# KiCad board sizif512.kicad_pcb (continued)
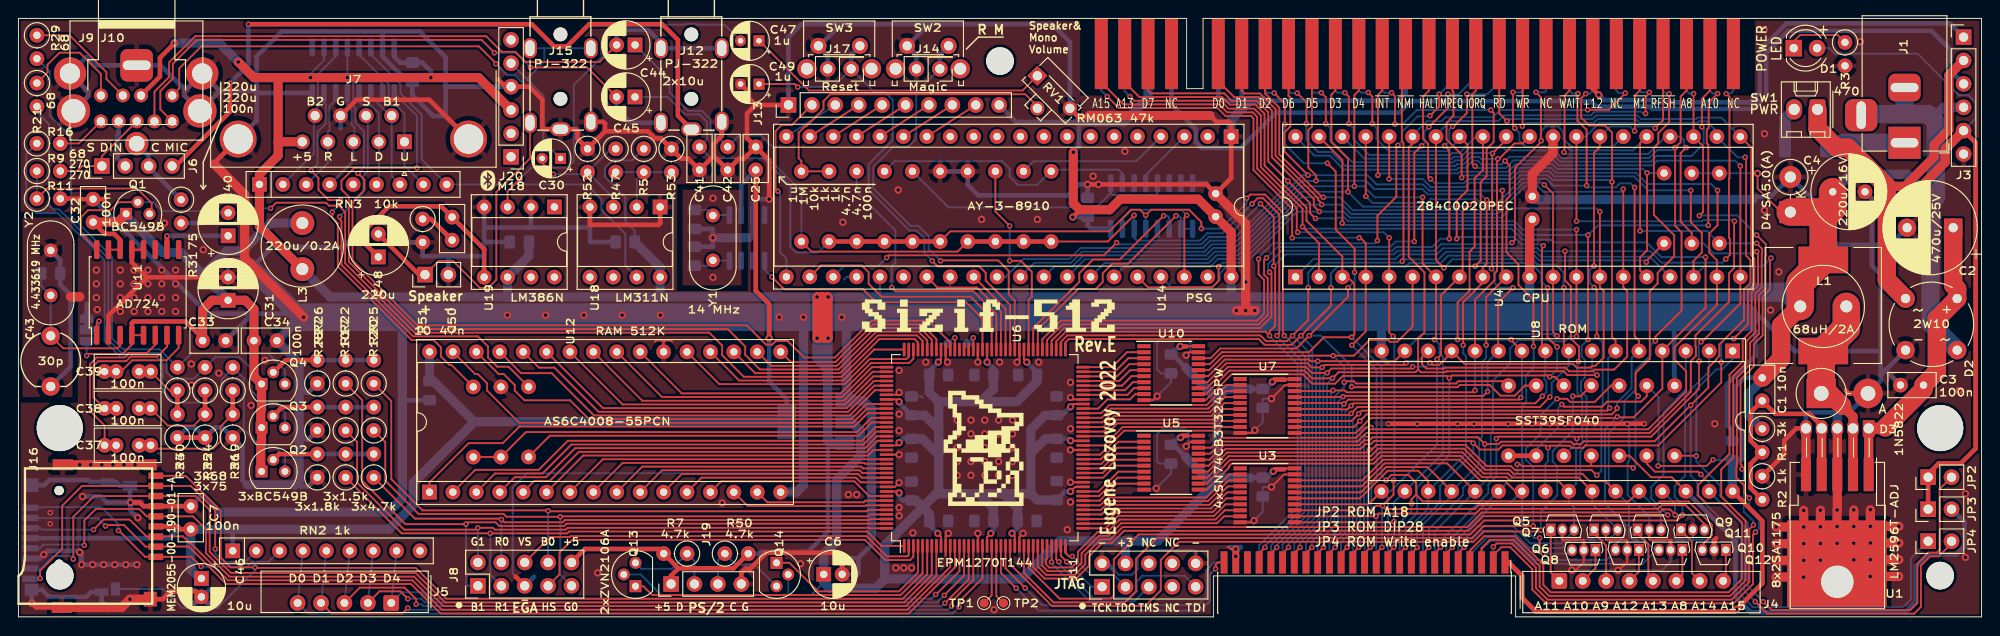
[diagram p0: board, top side]
## Routing (per net, layer and track width the routed paths; a pad name or vN(x,y) marks a point on that pad's centre or on a via; arc(x,y) is an arc through that point) (continued)
/A0: length 103.5
  Top w0.2: v2(158.05,24.59) 157.85,24.39 144.1,24.39 143.9,24.59 v2(142.63,24.59) ; 142.5,24.47 v2(142.63,24.59) ; v2(142.63,24.59) 142.56,24.53 U7.18 ; v2(138.75,56.88) 139.75,55.88 v2(139.75,53.57) ; J18.35 139.7,6.91 v2(140.34,7.54) ; U4.30 163.22,51.42 162.32,51.42 160.65,49.74 v2(160.51,49.74) 160.41,49.65 160.41,46.06 160.42,46.05 160.42,37.57 160.15,37.3 160.15,36.56 158.05,34.46 U8.12
  Bottom w0.2: U8.12 158.05,24.6 v2(158.05,24.59) ; v2(142.63,24.59) 142.39,24.35 142.39,10.24 140.34,8.19 v2(140.34,7.54) ; v2(160.51,49.74) 158.73,49.74 158.53,49.94 157.62,49.94 156.85,49.17 156.07,49.17 155.87,48.97 143.97,48.97 142.45,50.5 141,50.5 139.75,51.75 139.75,52.62 139.75,52.63 v2(139.75,53.57) ; 137.81,61.17 137.81,57.16 138.08,56.88 v2(138.75,56.88)
/A1: length 101.4
  Top w0.2: U8.11 160.55,28.92 160.55,34.14 v2(162.15,35.74) ; U7.17 143.68,23.88 v2(143.73,23.92) 143.8,24 158.93,24 v2(159.4,24.47) ; v2(141.85,53.57) 141.85,56.44 v2(141.36,56.93) ; J18.33 140.97,6.94 141.59,7.55 141.59,7.55 v2(141.6,7.55) ; v2(159.83,37.82) 159.9,37.9 159.9,50.31 v2(159.94,50.34) 161.42,51.83 U4.31
  Bottom w0.2: v2(141.36,56.93) 140.57,56.93 140.35,57.16 140.35,61.17 ; v2(143.73,23.92) 143.19,23.38 143.19,9.51 141.6,7.92 v2(141.6,7.55) ; v2(141.85,53.57) 142.35,53.07 142.35,51.77 144.75,49.37 155.71,49.37 155.91,49.57 156.68,49.57 157.49,50.38 159.9,50.38 v2(159.94,50.34) ; v2(162.15,35.74) 160.68,35.74 160.15,36.27 160.15,37.5 v2(159.83,37.82) ; U8.11 159.4,27.69 v2(159.4,24.47)
/A2: length 104.9
  Top w0.2: v2(144.35,53.57) 144.35,56.5 v2(143.91,56.94) ; v2(163,23.82) 162.78,23.6 144.28,23.6 v2(143.82,23.13) ; v2(156.15,30.12) 156.15,34.14 157.45,35.44 157.45,39.67 158,40.22 158,47.64 158.9,48.54 158.9,52.15 U4.32 ; v2(143.82,23.13) 143.72,23.23 U7.16 ; v2(143.82,23.13) 143.7,23.25 ; v2(161.95,30.12) 161.95,30.06 U8.10
  Bottom w0.2: v2(144.35,53.57) 144.85,53.07 144.85,51.87 146.55,50.17 155.38,50.17 155.58,50.37 156.35,50.37 158.14,52.16 U4.32 ; J18.32 142.24,7.99 143.59,9.34 143.59,22.9 v2(143.82,23.13) ; 142.89,61.17 142.89,57.16 143.1,56.94 v2(143.91,56.94) ; v2(163,23.82) 163.13,23.95 U8.10 ; v2(156.15,30.12) v2(161.95,30.12)
/A3: length 105.1
  Top w0.2: v2(142.87,7.55) 142.24,6.92 J18.31 ; v2(146.46,56.95) 146.9,56.51 v2(146.9,53.57) ; v2(165.45,40.32) 165.3,40.16 165.3,29.25 U8.9 ; U4.33 157.22,51.28 157.22,46.35 156.05,45.17 v2(156.05,41.07) ; v2(165.35,23.97) 164.58,23.2 144.85,23.2 v2(144.59,22.94) 144.18,22.53 143.45,22.53 143.41,22.58 U7.15
  Bottom w0.2: v2(165.35,23.97) 165.77,24.39 165.77,25.6 165.55,25.82 165.55,26.32 165.67,26.43 U8.9 ; v2(142.87,7.55) 142.89,7.57 142.89,8.07 143.99,9.17 143.99,22.33 v2(144.59,22.94) ; v2(156.05,41.07) 156.22,41.25 162.3,41.25 163.1,40.45 165.33,40.45 v2(165.45,40.32) ; U4.33 156.34,51.89 155.03,50.57 148.69,50.57 147.35,51.91 147.35,53.12 v2(146.9,53.57) ; 145.43,61.17 145.43,57.16 145.63,56.95 v2(146.46,56.95)
/A4: length 120
  Top w0.2: v2(176.96,56.96) 176.96,56.88 176.55,56.47 v2(176.55,54.67) ; v2(167.68,35.77) 167.68,29.41 U8.8 ; v2(166.15,23.87) 165.08,22.8 145.3,22.8 v2(144.59,22.09) 144.43,21.93 U7.14 ; v2(154.65,37.9) 153.8,38.76 U4.34
  Bottom w0.2: J18.30 143.51,8.13 144.39,9.01 144.39,21.88 v2(144.59,22.09) ; 175.91,61.17 175.91,57.16 176.1,56.96 v2(176.96,56.96) ; v2(154.65,37.9) 155.6,38.85 164.23,38.85 164.81,38.27 166.8,38.27 167.65,37.42 167.65,35.8 v2(167.68,35.77) ; v2(166.15,23.87) 166.35,24.07 166.35,25.42 168.21,27.28 U8.8 ; U4.34 153.8,52.32 155.35,53.87 160.59,53.87 161.18,54.46 170.61,54.46 171.02,54.87 176.07,54.87 176.27,54.67 v2(176.55,54.67)
/A5: length 127.3
  Top w0.2: v2(170.25,55.07) 172.53,55.07 v2(174.35,56.88) ; U10.12 128.84,24.2 131.39,26.75 139.53,26.75 140.37,25.91 142.56,25.91 v2(142.58,25.93) 143.23,26.57 151.57,26.57 151.87,26.86 ; U4.35 151.26,51.38 150.85,50.97 150.85,39.12 152.55,37.42 152.55,30.87 151.87,30.19 151.87,26.86 ; v2(171.28,26.26) 168.06,26.26 167.64,26.68 154.94,26.68 154.84,26.57 152.16,26.57 151.87,26.86
  Bottom w0.2: 173.37,61.17 173.37,57.16 173.64,56.88 v2(174.35,56.88) ; U8.7 170.75,26.79 v2(171.28,26.26) ; J18.36 139.7,8.12 141.99,10.41 141.99,25.33 v2(142.58,25.93) ; v2(170.25,55.07) 170.22,55.04 168.72,55.04 ; 169.91,55.04 168.72,55.04 ; 168.72,55.04 160.76,55.04 160,54.27 154.85,54.27 154.42,53.84 152.81,53.84 151.26,52.29 U4.35
/A6: length 123.9
  Top w0.2: J18.29 143.51,6.91 v2(144.15,7.55) ; U7.13 144.63,21.28 v2(145.41,22.06) 145.75,22.4 172.36,22.4 v2(172.64,22.68) ; v2(170.05,56.82) 170.04,56.82 169.56,56.34 169.56,54.23 170.42,53.37 172.15,53.37 172.9,52.62 v2(172.9,47.24) 172.9,30.4 173.29,30.01 U8.6 ; U4.36 148.72,47.57 v2(148.72,47.57)
  Bottom w0.2: v2(145.41,22.06) 144.79,21.43 144.79,8.51 144.15,7.87 v2(144.15,7.55) ; v2(170.05,56.82) 170.49,56.82 170.83,57.16 170.83,61.17 ; v2(172.9,47.24) 172.7,47.44 166.46,47.44 165.93,47.97 162.96,47.97 162.13,47.14 157.44,47.14 156.99,46.7 153.22,46.7 152.35,47.57 v2(148.72,47.57) ; v2(172.64,22.68) 172.48,22.84 172.48,28.08 U8.6
/A7: length 130.5
  Top w0.2: 138.45,20.63 144.9,20.63 v2(145.55,21.27) 146.27,22 172.88,22 173.44,22.56 v2(173.44,22.67) ; v2(175.35,46.65) 175.35,30.49 175.83,30.01 U8.5 ; v2(169.2,56.83) 169.15,56.78 169.15,53.9 170.15,52.9 v2(170.15,46.84) ; U4.37 146.18,45.69 v2(146.2,45.67)
  Bottom w0.2: U8.5 175.02,28.07 175.02,24.82 ; 168.29,61.17 168.29,57.16 168.61,56.83 v2(169.2,56.83) ; 175.01,24.81 173.44,23.24 v2(173.44,22.67) ; v2(146.2,45.67) 146.9,44.97 152.85,44.97 153.25,45.37 158.2,45.37 158.89,44.67 160.22,44.67 163.12,47.57 165.77,47.57 166.5,46.84 v2(170.15,46.84) 170.35,46.64 173.32,46.64 173.75,47.07 174.93,47.07 v2(175.35,46.65) ; J18.28 144.78,7.86 145.19,8.27 145.19,20.91 v2(145.55,21.27)
/A8: length 171
  Top w0.2: U8.27 172.19,14.74 170.48,14.74 169.68,15.54 162.22,15.54 161.79,15.97 159.13,15.97 156.83,18.27 147.55,18.27 146.73,17.45 131.3,17.45 128.97,15.12 U5.13 ; v2(177.6,29.97) 177.6,30.42 180.45,33.27 180.45,41.77 179.75,42.47 v2(179.75,50.97) 180.35,51.57 180.35,56.52 180.99,57.16 180.99,61.17
  Bottom w0.2: U4.38 146.04,49.77 155.54,49.77 155.74,49.97 156.51,49.97 157.49,50.94 161.15,50.94 161.43,50.66 166.63,50.66 167.45,49.84 176.95,49.84 177.83,50.72 179.5,50.72 v2(179.75,50.97) ; J18.6 158.75,7.32 159.7,8.27 161.94,8.27 164.44,5.77 176.25,5.77 177.75,7.27 Q10.3 177.55,7.27 176.45,8.37 175.05,8.37 174.75,8.67 174.75,12.18 U8.27 172.55,14.38 172.55,19.97 174.25,21.67 174.25,23.48 175.45,24.68 175.45,26.77 177.1,28.42 177.1,29.52 177.55,29.97 v2(177.6,29.97)
/A9: length 173.5
  Top w0.2: v2(184.36,56.84) 183.39,55.87 183.39,53.12 183.18,52.91 183.18,51.44 183.35,51.27 v2(183.35,42.52) ; U8.26 169.25,15.14 162.05,15.14 161.62,15.57 158.97,15.57 156.67,17.87 147.71,17.87 146.89,17.05 131.46,17.05 130.95,16.54 130.95,16.5 128.92,14.47 U5.12 ; U4.39 143.66,49.61 143.66,42.8 v2(143.62,42.77) ; v2(156.84,7.55) 156.21,6.91 J18.9 156.21,6.75 ; v2(170.3,30.12) v2(170.3,41.47)
  Bottom w0.2: v2(183.35,42.52) 171.35,42.52 v2(170.3,41.47) 163.26,41.47 162.16,42.57 143.82,42.57 v2(143.62,42.77) ; v2(170.3,30.12) 169.6,29.42 169.6,28.26 169.95,27.91 169.95,25.97 169.55,25.58 169.55,24.47 170.15,23.87 170.15,18.67 169.45,17.97 169.45,14.94 U8.26 170.75,12.37 170.75,12.37 170.75,12.25 173.5,9.49 ; v2(156.84,7.55) 158.67,9.37 162.05,9.37 163.95,7.47 167.48,7.47 168.38,8.37 172.53,8.37 173.5,9.35 Q7.3 ; 183.53,61.17 183.53,57.16 183.84,56.84 v2(184.36,56.84)
/A10: length 146.5
  Top w0.2: v2(182.65,53.22) 182.65,56.28 183.53,57.16 183.53,61.17 ; v2(161.3,49.52) 161.8,49.02 161.8,45.68 161.45,45.33 161.45,39.6 162.75,38.3 162.75,36.05 164.38,34.42 v2(164.38,29.37) ; v2(165.05,8.57) 165.05,7.27 v2(165.45,6.87) ; J18.11 154.94,6.91 v2(155.57,7.54) ; U3.18 145.82,14.83 148.07,17.07 156.34,17.07 158.64,14.77 161.28,14.77 162.41,13.64 U8.23
  Bottom w0.2: U8.23 161.76,12.27 160.02,12.27 155.57,7.83 v2(155.57,7.54) ; U8.23 163.25,13.76 163.25,16.74 163.15,16.84 163.15,22.87 163.6,23.32 163.6,24.64 163.55,24.69 163.55,26.2 164.39,27.04 164.39,29.36 v2(164.38,29.37) ; U8.23 163.13,9.89 164.45,8.57 v2(165.05,8.57) ; v2(165.45,6.87) 168.2,6.87 Q6.3 ; v2(182.65,53.22) 182.84,53.03 182.84,51.36 181.55,50.07 177.75,50.07 177.12,49.44 167.29,49.44 166.76,49.97 161.75,49.97 v2(161.3,49.52) 160.93,49.15 158.72,49.15 158.33,49.54 157.78,49.54 157.01,48.77 156.24,48.77 156.04,48.57 143.81,48.57 142.28,50.1 140.63,50.1 U4.40
/A11: length 164.2
  Top w0.2: v2(167.8,39.72) 167.8,36.54 168.45,35.89 168.45,30.22 169.33,29.34 169.33,27.8 v2(169.27,27.73) ; U5.11 128.95,13.82 131.35,16.22 131.35,16.37 131.63,16.65 147.06,16.65 147.88,17.47 156.5,17.47 158.8,15.17 161.45,15.17 161.88,14.74 167.11,14.74 U8.25 ; v2(185.25,38.87) 185.7,39.32 185.7,41.05 185.59,41.16 185.59,47.6 185.65,47.66 185.65,56.49 185.32,56.83 v2(185.29,56.83)
  Bottom w0.2: v2(185.25,38.87) 184.85,38.47 178.28,38.47 177.04,39.72 v2(167.8,39.72) 165.13,39.72 164.8,40.05 154.57,40.05 153.9,39.37 149.92,39.37 149.42,38.87 140.51,38.87 U4.1 ; v2(169.27,27.73) 169.15,27.62 169.15,24.3 169.67,23.78 169.67,18.86 169.01,18.19 169.01,14.44 U8.25 168.21,12.45 168.79,11.87 Q5.3 168.79,9.35 167.41,7.97 164.05,7.97 162.2,9.82 158.27,9.82 156.21,7.76 J18.10 ; v2(185.29,56.83) 185.76,56.83 186.07,57.14 186.07,61.17
/A12: length 178.8
  Top w0.2: U7.11 145.1,19.98 146.72,21.6 173.33,21.6 v2(173.48,21.74) 173.55,21.67 175.25,21.67 178.37,24.79 U8.4 183.05,33.56 v2(183.05,39.07) ; U4.2 141.1,40.59 v2(139.32,42.37) 139.32,44.33 134.8,48.85 134.8,54.48 134.08,55.2 131.3,55.2 130.44,56.06 121.05,56.06 v2(120.6,56.51)
  Bottom w0.2: J18.8 157.48,6.75 159.4,8.67 162.1,8.67 164.6,6.17 172.31,6.17 173.28,7.15 Q8.3 173.28,7.9 174.35,8.97 174.35,10.07 172.15,12.27 172.15,20.42 v2(173.48,21.74) ; v2(120.6,56.51) 120.03,57.08 120.03,61.17 ; v2(139.32,42.37) 139.53,42.17 162,42.17 163.19,40.97 166.25,40.97 166.55,40.67 176.65,40.67 178.25,39.07 v2(183.05,39.07)
/A13: length 126.7
  Top w0.2: 151.65,13.27 152.38,12.54 174.73,12.54 U8.28 ; 151.65,13.27 151.15,12.77 v2(151.15,12.32) ; 151.65,13.27 151.65,14.57 150.8,15.42 148.95,15.42 148.4,14.87 v2(148.4,14.83) ; J2.B2 120.03,58.06 121.62,56.46 130.61,56.46 131.42,55.65 134.2,55.65 135.2,54.64 135.2,49.02 139.75,44.47 139.75,43.03 143.64,39.14 U4.3 144.2,36.92 144.95,36.17 144.95,30.67 v2(144.65,30.37) 141.65,30.37 140.03,28.75 130.57,28.75 129.26,27.45 U10.17
  Bottom w0.2: Q9.3 178.22,11.25 U8.28 ; J18.20 149.86,10.22 151.15,11.51 v2(151.15,12.32) ; v2(144.65,30.37) 147.9,27.12 147.9,15.33 v2(148.4,14.83)
/A14: length 128
  Top w0.2: U3.12 147.3,10.93 v2(147.3,10.92) 147.6,11.22 158.09,11.22 158.61,11.74 177.92,11.74 178.31,12.13 180.89,12.13 182.93,10.09 Q11.3 ; v2(145.47,41.17) 145.6,41.17 146.18,40.59 U4.4 146.18,31 v2(144.68,29.5) ; v2(118.14,56.51) 119.39,55.26 130.11,55.26 130.97,54.4 133.75,54.4 134,54.15 134,48.52 138.2,44.32 v2(138.2,41.17)
  Bottom w0.2: v2(144.68,29.5) 147.36,26.81 147.36,15.01 146.79,14.44 146.79,11.43 v2(147.3,10.92) 147.32,10.9 J18.24 ; 117.49,61.17 117.49,57.16 118.13,56.51 v2(118.14,56.51) ; v2(138.2,41.17) v2(145.47,41.17)
/A15: length 129.7
  Top w0.2: v2(148,12.07) 147.3,12.07 146.81,11.58 U3.13 ; v2(148,12.07) 148.35,11.72 158.02,11.72 158.44,12.14 177.72,12.14 178.11,12.53 181.22,12.53 183.76,9.99 183.76,8.88 182.71,7.83 Q12.3 ; v2(148,12.07) 149.2,13.27 v2(149.2,14.82) ; v2(149.15,30.47) 148.72,30.9 U4.5 148.72,41.17 v2(148.72,41.17) ; J18.23 147.32,6.92 v2(147.95,7.55) ; 117.49,58.24 117.49,58.06 119.88,55.66 130.28,55.66 131.14,54.8 133.91,54.8 134.4,54.31 134.4,48.69 138.7,44.39 138.7,41.87 v2(138.8,41.77)
  Bottom w0.2: v2(138.8,41.77) 148.13,41.77 v2(148.72,41.17) ; v2(148,12.07) 147.95,12.02 v2(147.95,7.55) ; v2(149.2,14.82) 149.3,14.92 149.3,30.32 v2(149.15,30.47)
/AY_ABC: length 26
  Top w0.2: v2(125.6,43.57) 120.38,38.36 118.67,38.36 117.65,37.33 117.65,36.37 116.9,35.62 115,35.62 110.6,31.22 U6.79
  Bottom w0.2: U13.9 U13.10 126.12,43.35 125.9,43.57 v2(125.6,43.57)
/AY_BC1: length 9.3
  Top w0.2: U14.29 107.1,33.47 U6.86
/AY_BDIR: length 13.7
  Top w0.2: U14.27 99.72,35.77 104,35.77 106.6,33.17 U6.87
/AY_CLK: length 26.8
  Top w0.2: U6.89 105.6,32.47 103.3,34.77 93.65,34.77 92.25,36.17 92.25,37.42 91.5,38.17 87.1,38.17 U14.22
/AY_MONO: length 24
  Top w0.2: v2(124.25,43.57) 119.49,38.81 116.59,38.81 115.1,37.32 115.1,36.37 110.1,31.37 U6.80
  Bottom w0.2: v2(124.25,43.57) 124.65,43.57 124.86,43.37 U13.11
/Blue0: length 72
  Top w0.2: U6.140 92.2,11.62 92.05,11.47 57.52,11.47 v2(57.48,11.52) 57.43,11.57 43.85,11.57 40.45,14.97 40.45,23.45 R25.1
  Bottom w0.2: J8.8 57.47,11.51 v2(57.48,11.52)
/Blue1: length 78.4
  Top w0.2: U6.143 59.46,10.12 59.21,9.87 52.17,9.87 51.78,10.27 48.75,10.27 v2(48.55,10.07) 42,10.07 37.3,14.77 37.3,23.55 R22.1
  Bottom w0.2: J8.1 48.8,3.37 48.55,3.62 v2(48.55,10.07)
/BUS0: length 33
  Top w0.2: v2(129.89,5.23) 129.89,5.66 130.15,5.92 J18.49 ; v2(108.25,3.12) 106.6,4.77 U6.22
  Bottom w0.2: v2(129.89,5.23) 129.3,4.64 129.3,1.72 128.25,0.67 110.7,0.67 v2(108.25,3.12)
/BUS1: length 31.4
  Top w0.2: U6.23 107.1,5.27 v2(109.23,3.14)
  Bottom w0.2: J18.50 129.73,5.92 128.88,5.07 128.88,2.2 127.95,1.27 111.1,1.27 v2(109.23,3.14)
/CLK28: length 30.2
  Top w0.2: U6.91 104.6,32.37 102.8,34.17 93.05,34.17 91.65,35.57 83.1,35.57 v2(81.75,36.92)
  Bottom w0.2: v2(81.75,36.92) 80.96,37.72 80.96,38.7
/CLKCPU: length 73.2
  Top w0.2: R6.1 161.2,25.59 156.22,25.59 155.98,25.35 145.15,25.35 144.9,25.59 143.97,25.59 v2(143.85,25.47) ; U10.16 129.18,26.8 130.73,28.35 140.19,28.35 140.21,28.37 v2(142.65,28.37) 144.9,28.37 146.6,30.07 148.6,30.07 148.8,29.87 149.6,29.87 151.26,31.53 U4.6
  Bottom w0.2: J18.34 140.97,8.09 142.79,9.91 142.79,23.91 143.85,24.97 v2(143.85,25.47) 143.85,27.17 v2(142.65,28.37)
/Csync: length 111.5
  Top w0.2: U6.105 97.6,29.81 97.24,30.17 93.41,30.17 89.31,26.07 78.71,26.07 76.35,28.43 76.35,29.47 74.95,30.87 42.98,30.87 35.45,38.4 35.45,43.97 34.75,44.67 33.68,44.67 33.37,44.98 27.96,44.98 v2(27.35,44.37) ; U11.16 6.8,41.59 6.8,43.42 7.55,44.17 10,44.17 10.87,45.04 Q1.2
  Bottom w0.2: v2(27.35,44.37) 24.75,44.37 23.9,45.22 21.2,45.22 20.05,44.07 15.6,44.07 14.63,45.04 Q1.2
/D0: length 162
  Top w0.2: 155.51,28.58 U8.13 ; U8.13 155.51,28.72 154.16,27.38 153.38,27.38 v2(153.16,27.6) ; U8.13 156.91,27.48 168.68,27.48 169.08,27.07 170.55,27.07 170.74,27.26 171.09,27.26 172,28.17 172,35.37 171.58,35.79 U4.14 171.58,44.01 v2(171.58,44.02) ; J18.37 138.43,6.92 v2(139.06,7.55) ; v2(151.27,27.17) 151.07,26.97 142.46,26.97 v2(142,26.51) 141.72,26.51 141.7,26.49 140.35,26.49 139.69,27.15 131.23,27.15 128.92,24.85 U10.13 ; 130.19,61.17 130.19,58.18 131.92,56.45 134.53,56.45 136,54.98 136,49.92 140.55,45.37 140.55,44.62 v2(141.15,44.02)
  Bottom w0.2: U14.37 125.06,35.83 129.57,35.83 130.38,36.64 130.38,37.33 131.12,38.07 132.81,38.07 138.76,44.02 v2(141.15,44.02) 143.79,44.02 144.44,43.37 160.89,43.37 161.9,44.37 171.22,44.37 v2(171.58,44.02) ; v2(139.06,7.55) 139.06,8.05 141.59,10.57 141.59,26.1 v2(142,26.51) ; v2(151.27,27.17) 152.74,27.17 v2(153.16,27.6)
/D1: length 173.4
  Top w0.2: v2(130.22,38.05) 130.21,38.03 130.21,36.48 129.53,35.8 122.56,35.8 U14.36 ; v2(174.12,46.47) 174.12,46.47 U4.15 174.12,35.79 174.55,35.36 174.55,28.27 173.14,26.86 171.03,26.86 170.84,26.67 168.25,26.67 167.84,27.08 154.78,27.08 154.67,26.97 152.75,26.97 152.29,27.43 152.29,28.2 U8.14 ; v2(141.4,44.78) 141.4,44.91 140.99,45.32 140.99,45.49 136.4,50.08 136.4,55.14 134.69,56.85 133.03,56.85 132.73,57.16 132.73,61.17 ; v2(150.58,27.58) 150.37,27.37 141.73,27.37 v2(141.45,27.09) 140.32,27.09 139.86,27.55 131.06,27.55 129.01,25.5 128.03,25.5
  Bottom w0.2: v2(150.58,27.58) 150.78,27.78 151.87,27.78 U8.14 ; v2(141.45,27.09) 141.19,26.83 141.19,10.74 138.43,7.98 J18.38 ; v2(174.12,46.47) 173.82,46.17 165.45,46.17 164.85,46.77 163.45,46.77 160.45,43.77 144.6,43.77 143.59,44.78 v2(141.4,44.78) 138.95,44.78 132.64,38.47 130.65,38.47 v2(130.22,38.05)
/D2: length 151.9
  Top w0.2: U10.15 129.09,26.15 130.9,27.95 140.02,27.95 140.2,27.77 v2(140.99,27.77) 141.81,27.77 141.81,27.77 149.32,27.77 U8.15 ; J18.39 137.16,6.91 v2(137.8,7.55) ; v2(141.59,45.57) 141.48,45.57 136.8,50.25 136.8,55.31 135.27,56.84 135.27,61.17 ; v2(165.56,46.93) 166.5,45.99 U4.12 166.5,30.96 v2(166.95,30.52)
  Bottom w0.2: U14.35 119.98,38.03 129.31,38.03 130.15,38.87 132.48,38.87 139.18,45.57 v2(141.59,45.57) 143.36,45.57 144.77,44.17 160.28,44.17 163.29,47.17 165.32,47.17 v2(165.56,46.93) ; U8.15 152.27,30.72 166.39,30.72 166.59,30.52 v2(166.95,30.52) ; v2(137.8,7.55) 137.8,7.92 140.79,10.9 140.79,27.57 v2(140.99,27.77)
/D3: length 115.2
  Top w0.2: 142.89,61.17 142.89,57.16 142.45,56.72 142.45,51.57 144.25,49.77 v2(144.25,46.17) ; v2(157.4,44.77) 156.7,44.07 156.7,37.28 U4.8 154.35,34.93 154.35,28.48 153.92,28.05 v2(153.92,27.98) ; U3.14 146.47,12.23 U8.17
  Bottom w0.2: J18.22 148.6,5.93 148.6,12.93 U8.17 148.87,13.64 153.92,18.69 v2(153.92,27.98) ; U14.34 117.86,38.45 129.16,38.45 129.98,39.27 132.31,39.27 139.21,46.17 v2(144.25,46.17) 145.86,44.57 157.2,44.57 v2(157.4,44.77)
/D4: length 111.7
  Top w0.2: v2(144.95,46.77) 144.95,56.68 145.43,57.16 145.43,61.17 ; v2(149.22,7.55) 148.59,6.92 J18.21 ; v2(153.65,30.12) 153.8,30.27 U4.7 152.35,38.38 v2(152.35,45.57) ; 138.45,10.28 149.17,10.28 v2(149.25,10.35)
  Bottom w0.2: v2(153.65,30.12) 154.15,29.62 154.15,28.68 154.55,28.28 154.55,17.76 U8.18 149.25,12.46 v2(149.25,10.35) 149.25,7.58 v2(149.22,7.55) ; U14.33 115.72,38.85 129,38.85 129.82,39.67 132.15,39.67 139.25,46.77 v2(144.95,46.77) 145.95,46.77 147.15,45.57 v2(152.35,45.57)
/D5: length 127.9
  Top w0.2: U3.15 145.57,12.88 148.56,15.87 151.87,15.87 152.97,14.77 U8.19 ; 140.35,61.17 140.35,53.27 139.95,52.87 139.95,48.79 140.8,47.94 v2(140.8,47.37) ; v2(159.3,45.27) 159.3,38.35 158.88,37.93 U4.9 158.88,36.3 156.75,34.17 v2(156.75,29.52)
  Bottom w0.2: U14.32 112.38,38.06 114.36,38.06 115.55,39.25 128.83,39.25 129.65,40.07 131.98,40.07 139.26,47.35 140.77,47.35 v2(140.8,47.37) 146.2,47.37 147.1,46.47 152.32,46.47 152.89,45.9 158.67,45.9 v2(159.3,45.27) ; v2(156.75,29.52) 156.75,28.62 157.06,28.31 157.06,17.73 U8.19 152.97,11.75 151.13,9.92 J18.18
/D6: length 135.8
  Top w0.2: U8.20 152.88,16.27 148.4,16.27 145.65,13.53 U3.16 ; v2(161.01,46.31) 161.01,45.74 161.01,45.74 161.01,37.34 U4.10 159.25,34.75 v2(159.25,29.52) ; v2(139.93,47.97) 137.35,50.55 137.35,52.61 138,53.26 138,56.4 137.81,56.59 137.81,61.17
  Bottom w0.2: v2(159.25,29.52) 159.25,28.11 158.8,27.66 158.8,19.52 158.5,19.22 158.5,16.63 U8.20 155.51,13.14 152.4,10.04 J18.16 ; v2(161.01,46.31) 161,46.3 153.06,46.3 152.38,46.97 147.35,46.97 146.35,47.97 v2(139.93,47.97) 139.32,47.97 131.82,40.47 129.49,40.47 128.67,39.65 115.39,39.65 114.19,38.46 110.24,38.46 U14.31
/D7: length 164.7
  Top w0.2: v2(140.72,43.27) 140.15,43.84 140.15,44.91 v2(137.73,47.33) 137.73,47.34 135.6,49.47 135.6,54.81 134.36,56.05 131.64,56.05 130.83,56.86 122.86,56.86 122.57,57.16 122.57,61.17 ; U3.17 145.74,14.18 148.23,16.67 155.02,16.67 U8.21 ; v2(169.05,42.07) 169.04,42.06 U4.13 169.04,30.48 v2(169.05,30.47)
  Bottom w0.2: v2(137.73,47.33) 137.73,46.95 131.65,40.87 129.32,40.87 128.5,40.05 115.22,40.05 114.03,38.86 109.05,38.86 107.13,36.93 U14.30 ; J18.14 153.67,9.26 U8.21 159.75,15.34 159.75,19.97 160,20.22 160,25.68 161.85,27.53 161.85,29.17 162.75,30.07 166.1,30.07 166.25,29.92 167.79,29.92 168.34,30.47 v2(169.05,30.47) ; v2(169.05,42.07) 163.22,42.07 162.33,42.97 144.27,42.97 143.87,43.37 143.15,43.37 143.05,43.27 v2(140.72,43.27)
/Green0: length 70.1
  Top w0.2: R20.1 39.8,19 39.8,14.8 43.43,11.17 52.65,11.17 52.95,10.87 v2(58.8,10.87) 58.85,10.92 92.2,10.92 92.4,11.12 U6.141
  Bottom w0.2: J8.9 58.8,4.58 v2(58.8,10.87)
/Green1: length 69.8
  Top w0.2: R17.1 36.75,19 36.75,14.57 41.85,9.47 49.65,9.47 v2(49.85,9.67) 51.48,9.67 51.67,9.47 59.38,9.47 59.58,9.67 59.68,9.67 59.68,9.67 92.35,9.67 92.4,9.62 U6.144
  Bottom w0.2: J8.2 v2(49.85,9.67)
/Hsync: length 45.3
  Top w0.2: U6.3 97.1,6.52 96.75,6.17 94.05,6.17 91.85,8.37 60.08,8.37 58.7,6.99 58.7,4.6 J8.7
/JOY_SEL: length 40.4
  Top w0.2: U6.121 92.6,21.12 91.15,19.67 57.65,19.67 R54.1
/JOY_SEL0: length 44.1
  Top w0.2: v2(34.85,43.47) 34.85,43.17 35.05,42.97 35.05,38.24 42.82,30.47 49.85,30.47 50.95,29.37 50.95,28.17 51.95,27.17 53.17,27.17 R54.2
  Bottom w0.2: J7.7 37.9,54.27 37.9,48.37 37.41,47.88 37.41,46.03 v2(34.85,43.47)
/KD0: length 85.9
  Top w0.2: U6.18 104.6,4.2 102.05,1.65 v2(102.05,1.07)
  Bottom w0.2: v2(102.05,1.07) 101.34,0.36 31.44,0.36 J5.5 RN2.4
/KD1: length 82.6
  Top w0.2: v2(101.25,1.17) 101.25,1.65 103.6,4 U6.16 ; J5.4 33.98,0.36 41.65,0.36 v2(42.25,0.96)
  Bottom w0.2: v2(42.25,0.96) 42.44,0.77 100.85,0.77 v2(101.25,1.17) ; RN2.5 J5.4
/KD2: length 80.1
  Top w0.2: v2(43.15,1.37) 43.15,1.92 41.9,3.17 37.03,3.17 J5.3 ; v2(100.52,1.48) 103.1,4.07 U6.15
  Bottom w0.2: RN2.6 J5.3 ; v2(100.52,1.48) 100.2,1.17 43.95,1.17 43.75,1.37 v2(43.15,1.37)
/KD3: length 75.8
  Top w0.2: v2(42.25,1.97) 41.45,2.77 39.17,2.77 J5.2 ; U6.14 102.6,4.5 100.46,2.36 v2(100.46,2.33)
  Bottom w0.2: v2(100.46,2.33) 99.7,1.57 44.11,1.57 43.71,1.97 v2(42.25,1.97) ; RN2.7 J5.2
/KD4: length 72.1
  Top w0.2: U6.13 102.1,4.96 99.56,2.43 v2(99.52,2.43)
  Bottom w0.2: v2(99.52,2.43) 99.06,1.97 44.45,1.97 43.75,2.67 41.61,2.67 J5.1 RN2.8
/MIX_L: length 133.6
  Top w0.2: J18.43 134.62,6.92 v2(135.25,7.55) ; R42.1 118.2,40.77 v2(121.05,43.62) ; R44.1 101.9,39.67 86.05,39.67 R46.1 ; v2(136.55,30.55) 136.8,30.79 136.8,43.71 135.04,45.47 134.45,45.47 v2(133.85,44.87)
  Top w0.5: R44.1 R38.1 R39.1 R42.1
  Bottom w0.2: v2(121.05,43.62) 121.05,43.61 U13.14 121.05,41.17 121.34,40.87 128.19,40.87 128.99,41.67 130.65,41.67 v2(133.85,44.87) ; C44.1 70.65,58.38 70.65,56.97 72.65,54.97 74.15,54.97 75.1,54.02 75.1,52.89 C42.2 78.18,52.27 80.6,52.27 81.9,50.97 81.9,49.26 84.95,46.21 R46.1 ; 136.55,30.5 139.19,27.86 139.19,11.62 135.25,7.68 v2(135.25,7.55)
/MIX_R: length 132.2
  Top w0.2: R43.1 101.1,41.87 118.35,41.87 120.7,44.22 121.7,44.22 v2(122.3,43.62) 122.9,44.22 127.01,44.22 128.35,42.88 v2(128.35,42.17) ; v2(133.25,45.47) 133.65,45.87 135.25,45.87 137.2,43.92 137.2,30.7 137.33,30.57
  Top w0.5: R45.1 R37.1 R41.1 R40.1 R43.1
  Bottom w0.2: v2(137.35,30.55) 139.59,28.31 139.59,11.45 135.89,7.76 J18.42 ; C45.1 70.45,56.47 72.35,54.57 73.9,54.57 74.7,53.77 74.7,51.84 C41.2 75.12,49.82 80.77,49.82 83.75,46.84 83.75,40.17 84.35,39.57 86.75,39.57 R45.1 ; 122.31,42.15 122.31,43.6 v2(122.3,43.62) ; v2(128.35,42.17) 130.46,42.17 133.25,44.96 v2(133.25,45.47)
/PS2_CLK: length 20.4
  Top w0.2: U6.4 97.6,4.82 95.55,2.77 86.76,2.77 83.66,5.87 Q14.1
/PS2_DAT: length 35.5
  Top w0.2: Q13.1 67.8,3.33 68.76,2.37 95.72,2.37 98.1,4.75 U6.5
/RA14: length 78.7
  Top w0.2: v2(179.75,11.07) 179.75,11.12 179.2,11.67 178.42,11.67 178.08,11.34 158.77,11.34 157.18,9.75 119.79,9.75 118.45,8.4 117.41,8.4 115.75,6.74 115.75,5.71 114.61,4.56 111.51,4.56 110.6,5.47 U6.30
  Bottom w0.2: v2(179.75,11.07) 179.75,12.26 U8.29
/RA15: length 95.2
  Top w0.2: v2(178.95,11.07) 178.49,11.07 178.35,10.94 158.94,10.94 157.35,9.35 119.96,9.35 118.61,8 117.58,8 116.15,6.57 116.15,5.54 114.77,4.16 111.34,4.16 110.1,5.4 U6.29
  Bottom w0.2: U8.3 180.91,24.69 178.5,22.29 178.5,15.46 177.15,14.11 177.15,12.88 178.95,11.08 v2(178.95,11.07)
/RA16: length 100.5
  Top w0.2: U6.28 109.6,5.34 112.97,1.97 118.51,1.97 118.85,2.31 118.85,6.25 121.55,8.95 157.51,8.95 159.03,10.47 180,10.47 180.55,11.02 v2(180.55,11.07)
  Bottom w0.2: U8.2 183.45,26.67 180.84,24.06 180.84,15.33 179.7,14.19 179.7,13.02 180.55,12.17 v2(180.55,11.07)
/RA17: length 88.1
  Top w0.2: v2(164.35,9.87) 159,9.87 157.68,8.55 123.52,8.55 121.26,6.29 121.26,2.79 120.04,1.57 112.31,1.57 109.1,4.79 U6.27 ; v2(166.94,23.68) 168.04,23.68 168.4,23.32 171,23.32 172.8,25.12 R14.1
  Bottom w0.2: v2(164.35,9.87) 164.35,16.27 163.58,17.04 163.58,18.3 165.15,19.87 165.15,21.9 v2(166.94,23.68)
/Red0: length 62.5
  Top w0.2: U6.142 92.47,10.62 92.37,10.52 59.3,10.52 59.05,10.27 52.7,10.27 v2(52.4,10.57) 52.3,10.67 43.03,10.67 R12.1
  Bottom w0.2: v2(52.4,10.57) 52.39,10.56 J8.4
/Red1: length 70
  Top w0.2: R10.1 41.57,9.07 51.1,9.07 51.1,9.07 59.54,9.07 59.74,9.27 92.08,9.27 93.65,7.71 U6.1
  Bottom w0.2: v2(51.19,9.07) 51.2,9.06 51.2,4.56 J8.3
/SD_CD: length 114.4
  Top w0.2: J16.9 18.16,15.32 21.95,11.53 21.95,6.44 23.02,5.37 v2(25.65,5.37) 25.7,5.32 43.1,5.32 46.45,1.97 95.95,1.97 98.6,4.62 U6.6
  Bottom w0.2: J21.9 15.7,3.02 17.75,0.97 21.61,0.97 25.65,5.01 v2(25.65,5.37)
/SD_CS: length 109.1
  Top w0.2: 14.91,7.64 18.49,7.64 22.56,3.57 42.59,3.57 45.79,0.37 96.61,0.37 101.6,5.36 U6.12 ; v2(9.45,9.87) 9.55,9.97 11.45,9.97 13.8,7.62 J16.2
  Bottom w0.2: v2(9.45,9.87) 8.6,10.72 2.47,10.72 2.45,10.75 J21.2
/SD_DAT1: length 38.5
  Top w0.2: v2(2.35,4.17) 2.35,5.02 4.73,7.4 4.75,7.4 4.75,12.07 6.9,14.22 J16.8 18.69,14.22 21.35,11.57 21.35,7.37 v2(21.35,7.37)